# Allegro board T736_DEMO_DBOARD_V0-5-draft.brd (continued)
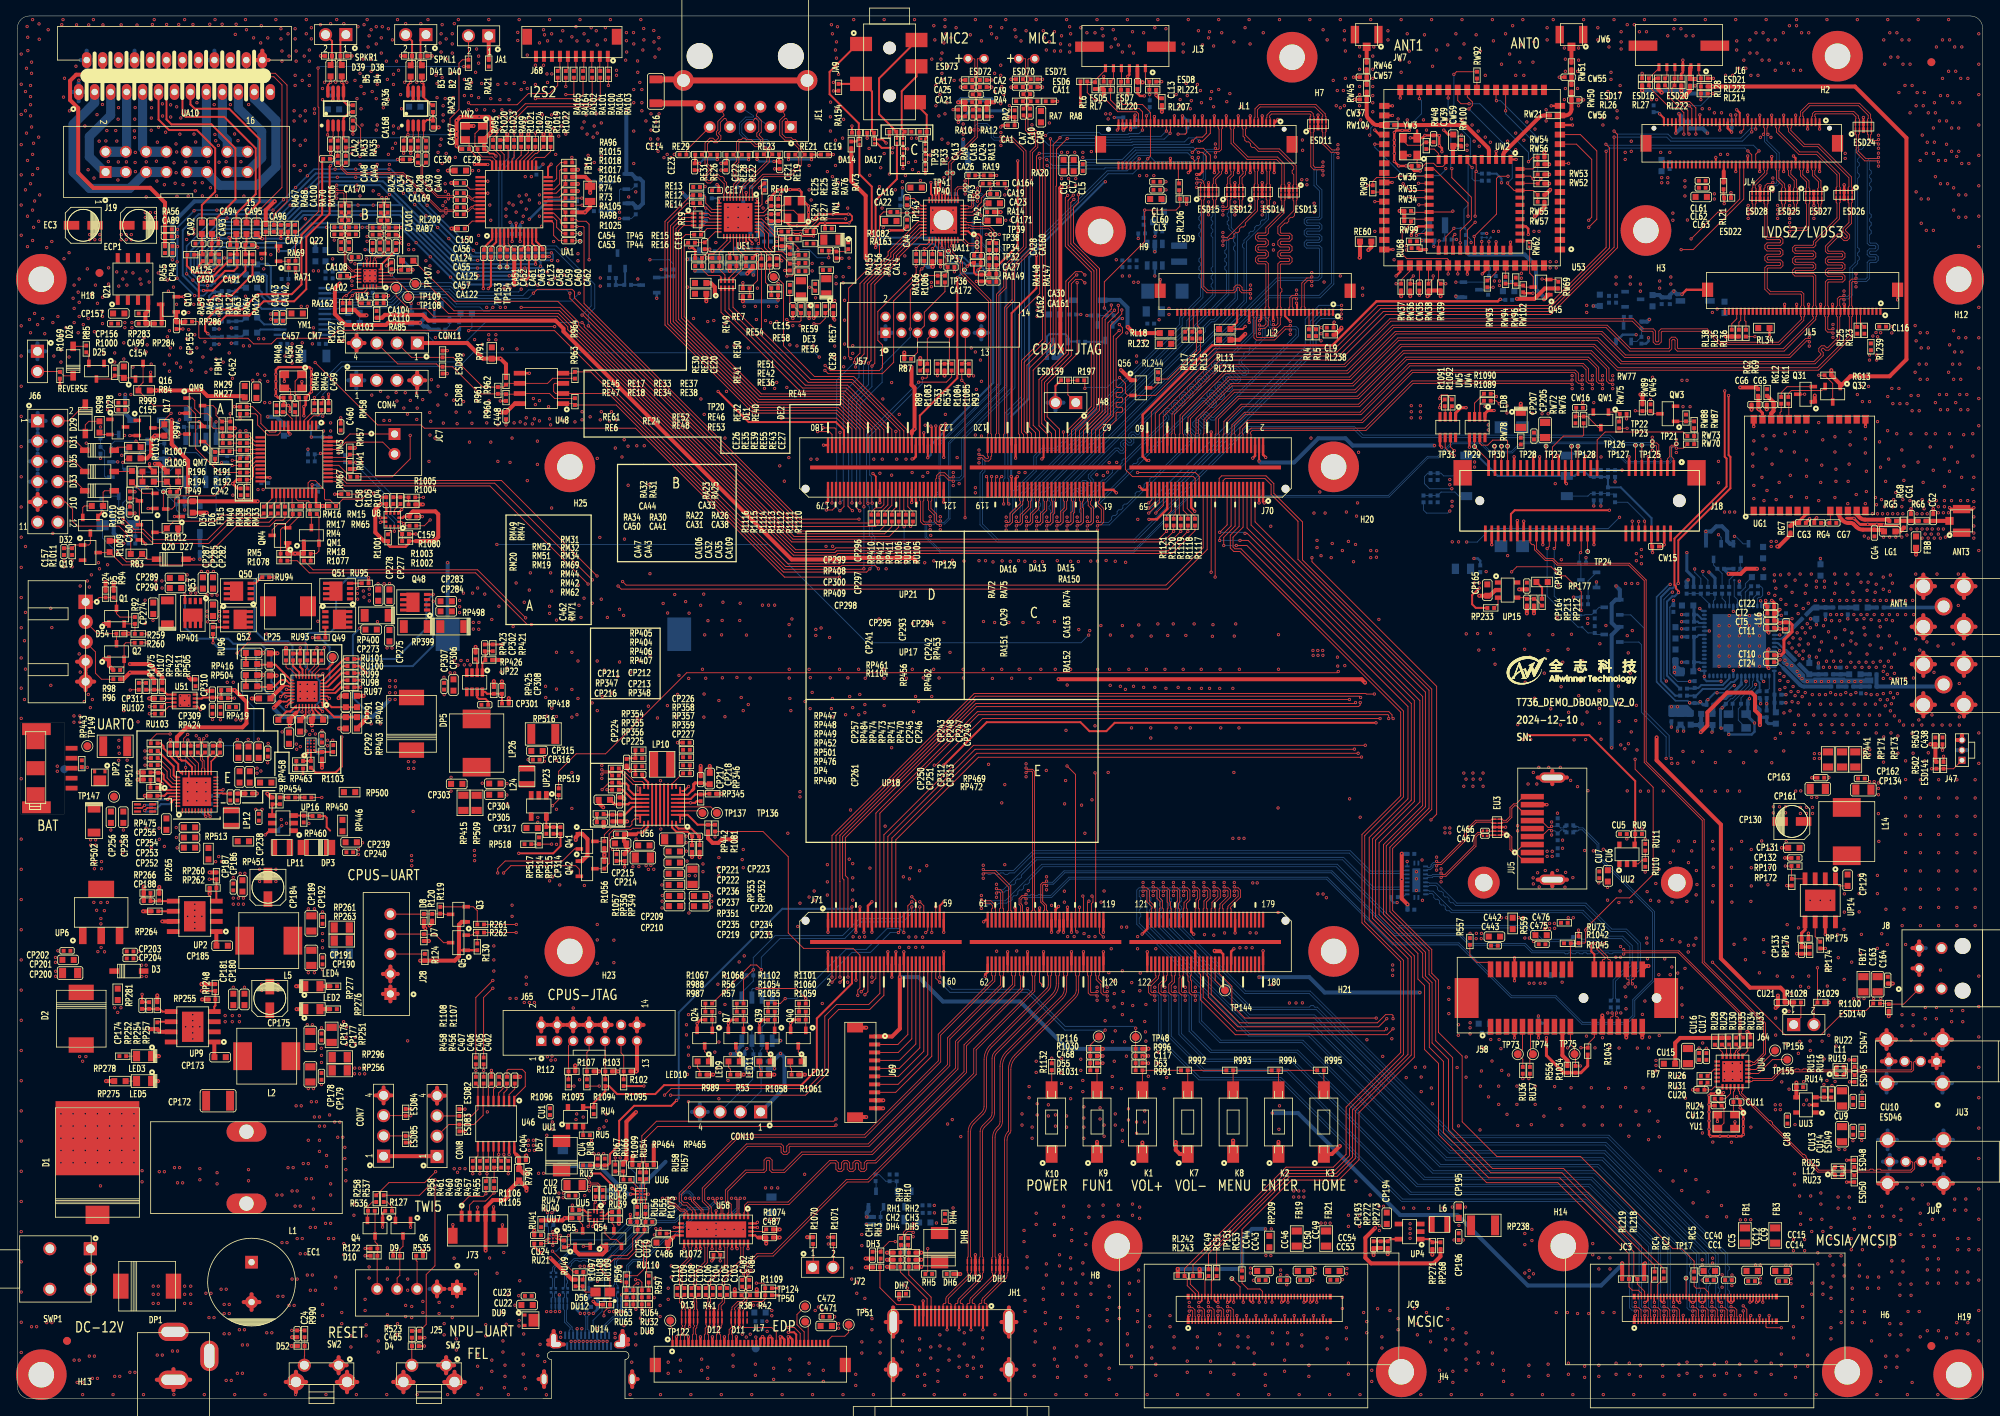
[diagram p0: board, top side]
## Copper pours and planes (outline as drawn; the poured copper is in the pictures) (continued)
DVDDRG on TOP: 84.45,142.24 85.09,142.24 85.22,142.11 85.22,138.18 85.09,138.05 84.45,138.05 84.33,138.18 84.33,142.11
DVDDRG on L4: 84.71,146.81 85.72,146.81 85.98,146.56 85.98,140.97 85.85,140.84 84.71,140.84 84.58,140.97 84.58,146.69
GND on TOP: 176.3,20.64 175.17,20.64 175.02,20.49 175.02,19.71 174.83,19.52 174.04,19.52 173.88,19.68 173.88,22.36 174.18,22.67 174.75,22.67 174.96,22.47 174.96,21.48 175.18,21.25 176.29,21.25 176.4,21.13 176.4,20.74
GND on TOP: 137.67,47.75 136.4,49.02 136.4,49.66 136.91,50.17 136.91,52.07 135.9,53.07 135.9,55.88 107.87,55.88 107.06,56.69 98.76,56.69 97.03,58.42 97.03,68.58 93.85,71.76 89.54,71.76 89.03,72.26 89.03,77.47 88.65,77.85 85.98,77.85 85.85,77.72 85.34,77.72 85.22,77.85 85.22,82.8 84.96,83.06 83.82,83.06 83.69,82.93 83.69,82.04 83.57,81.92 76.33,81.92 73.53,79.12 72.9,79.12 72.64,78.87 72.64,76.45 73.41,75.69 73.41,74.68 73.79,74.3 73.79,74.04 73.53,73.79 72.14,73.79 71.88,73.53 71.88,72.52 70.99,71.63 70.36,71.63 69.6,70.87 69.6,69.47 69.22,69.09 64.85,69.09 64.85,70.03 64.52,70.36 64.52,72.09 64.77,72.34 64.77,73.63 64.07,74.33 60.54,74.33 59.94,74.93 59.94,77.72 60.2,77.98 61.34,77.98 62.08,78.71 62.08,88.49 61.67,88.9 59.44,88.9 59.06,89.28 59.06,91.95 59.18,92.08 59.18,92.84 59.44,93.09 60.71,93.09 61.72,94.11 61.72,95.12 62.74,96.14 64.9,96.14 65.02,96.27 65.02,97.28 58.17,104.14 38.48,104.14 38.1,104.52 38.1,110.49 38.74,111.13 40.01,111.13 41.15,112.27 44.07,112.27 44.45,111.89 44.45,107.82 45.97,106.3 52.2,106.3 53.21,107.32 53.21,113.64 53.59,114.02 58.95,114.02 71.76,101.22 144.48,101.22 145.49,102.24 151,102.24 151.38,102.62 151.38,104.9 152.27,105.79 152.91,105.79 166.62,92.08 166.62,91.19 165.99,90.55 129.92,90.55 128.27,88.9 119.25,88.9 101.73,71.37 101.73,58.8 101.88,58.65 109.14,58.65 109.65,58.14 115.06,58.14 115.62,58.7 115.85,58.7 115.9,58.75 115.9,61.42 116.46,61.98 116.46,62.74 115.95,63.25 110.62,63.25 110.36,63.5 110.36,69.72 120.52,79.88 125.48,79.88 125.6,79.76 125.6,77.85 127,76.45 127,66.68 126.37,66.04 123.57,66.04 122.3,67.31 120.9,67.31 120.4,66.8 120.4,59.18 121.03,58.55 122.53,58.55 122.68,58.7 129.54,58.7 129.54,58.67 130.18,58.04 130.43,58.04 130.94,58.55 135,58.55 135.26,58.29 135.26,58.06 135.61,57.71 135.9,57.71 135.9,61.45 135.38,61.98 135.38,78.74 136.4,79.76 171.7,79.76 172.86,78.6 172.86,75.63 168.15,70.92 168.15,59.54 173.1,54.58 173.1,49.15 172.47,48.51 163.83,48.51 161.67,50.67 157.48,50.67 155.9,52.25 155.9,56.57 155.32,57.15 155.58,57.4 156.34,57.4 156.72,57.79 156.72,61.47 157.23,61.98 164.41,61.98 164.87,62.43 164.87,64.36 164.21,65.02 140.97,65.02 140.72,64.77 140.72,62.87 141.1,62.48 141.1,61.98 141.7,61.37 141.7,58.62 153.11,58.62 153.9,57.84 153.9,57.28 153.52,56.9 149.61,56.9 148.59,55.88 141.7,55.88 141.7,52.68 141.35,52.32 141.35,50.55 142.37,49.53 142.37,48.9 141.22,47.75
GND on TOP: 162.05,137.41 161.93,137.54 161.93,138.56 162.81,139.45 162.81,140.59 162.31,141.1 161.29,141.1 160.27,142.11 160.27,146.05 159.89,146.43 159.89,147.45 160.53,148.08 160.53,150.62 161.93,152.02 161.93,153.42 162.18,153.67 163.83,153.67 163.96,153.8 163.96,154.81 164.21,155.07 165.86,155.07 165.99,155.19 165.99,157.48 165.86,157.61 165.23,157.61 164.47,158.37 164.47,161.42 163.32,162.56 155.45,162.56 154.81,161.93 154.81,160.91 154.56,160.66 144.4,160.66 144.02,161.04 144.02,163.32 143.51,163.83 143.51,164.21 143.26,164.47 142.62,164.47 142.37,164.72 142.37,166.75 141.35,167.77 134.11,167.77 133.6,167.26 133.6,163.58 134.87,162.31 136.27,162.31 138.18,160.4 138.18,156.97 137.29,156.08 134.75,156.08 134.24,155.58 134.24,154.81 133.86,154.43 133.1,154.43 132.72,154.81 130.56,154.81 130.43,154.94 130.43,156.46 130.94,156.97 131.45,156.97 132.21,157.73 132.21,157.99 131.83,158.37 130.43,158.37 130.05,158.75 130.05,160.4 129.41,161.04 129.41,162.94 129.16,163.2 127.76,163.2 127.51,163.45 127.51,166.62 128.4,167.51 128.4,168.66 128.02,169.04 125.6,169.04 124.71,168.15 124.71,166.24 125.35,165.61 125.35,163.58 125.1,163.32 124.21,163.32 123.83,162.94 123.83,160.53 124.33,160.02 124.33,159 123.83,158.5 122.94,158.5 122.81,158.37 122.81,157.61 123.06,157.35 123.95,157.35 124.97,156.34 124.97,151.77 124.71,151.51 123.7,151.51 123.44,151.77 123.44,152.53 123.06,152.91 121.79,152.91 121.67,153.04 121.67,153.67 121.41,153.92 117.86,153.92 117.73,154.05 117.73,155.19 120.65,158.12 120.65,159 121.03,159.39 121.03,160.78 121.29,161.04 122.43,161.04 122.94,161.54 122.94,162.94 122.56,163.32 122.05,163.32 121.16,164.21 121.16,165.74 122.05,166.62 122.05,168.4 121.79,168.66 118.62,168.66 118.24,168.28 118.24,166.5 119,165.74 119,163.83 118.87,163.7 117.98,163.7 117.48,163.2 117.48,162.31 117.73,162.05 117.98,162.05 118.24,161.8 118.24,161.42 118.11,161.29 117.73,161.29 117.48,161.04 117.48,155.96 115.82,154.31 115.82,153.29 115.57,153.04 114.05,153.04 113.79,153.29 112.65,153.29 112.4,153.04 112.4,151.38 112.14,151.13 111,151.13 109.22,149.35 108.97,149.35 108.59,148.97 108.08,148.97 107.95,149.1 107.95,150.11 110.49,152.65 110.49,154.81 110.74,155.07 111.13,155.07 111.38,155.32 111.38,155.96 111.51,156.08 111.76,156.08 111.89,156.21 111.89,156.85 111.63,157.1 111.63,159 111.76,159.13 113.28,159.13 113.41,159 113.41,154.56 113.67,154.31 114.3,154.31 114.43,154.43 114.43,155.32 114.68,155.58 114.68,156.08 114.3,156.46 114.3,158.12 114.68,158.5 114.68,162.94 114.3,163.32 114.3,172.59 114.05,172.85 114.17,172.97 166.24,172.97 167.01,172.21 172.21,172.21 172.34,172.09 172.34,163.07 174.5,160.91 188.72,160.91 191.26,163.45 191.26,172.21 191.39,172.34 198.12,172.34 198.37,172.09 198.37,162.31 195.33,159.26 191.14,159.26 188.34,156.46 188.34,155.07 187.83,154.56 184.15,154.56 183.77,154.94 183.77,156.08 180.98,158.88 180.59,158.88 180.34,158.62 180.34,158.12 180.21,157.99 179.07,157.99 178.18,158.88 172.34,158.88 172.21,159 170.43,159 169.55,158.12 169.55,153.8 168.66,152.91 168.66,150.75 169.42,149.99 169.42,147.45 168.15,146.18 167.77,146.18 167.26,145.67 167.26,142.88 167.64,142.49 169.29,142.49 169.67,142.88 169.67,143.51 170.69,144.53 172.72,144.53 173.23,144.02 173.23,143.26 173.74,142.75 173.74,141.22 173.61,141.22 172.09,139.7 172.09,138.81 171.32,138.05 169.67,138.05 169.04,137.41
GND on TOP: 221.39,14.14 222.33,14.14 222.45,14.26 222.45,16.81 222.33,16.94 221.39,16.94 221.26,16.81 221.26,14.26
GND on TOP: 54.05,98.07 56.26,98.07 56.39,98.2 56.39,100.25 56.26,100.38 54.05,100.38 53.92,100.25 53.92,98.2
GND on TOP: 217.53,14.21 218.47,14.21 218.59,14.34 218.59,16.89 218.47,17.02 217.53,17.02 217.4,16.89 217.4,14.34
GND on TOP: 195.58,103.63 202.31,103.63 203.58,102.36 203.58,79.25 210.57,72.26 210.57,56.57 209.55,55.55 209.22,55.55 208.15,56.62 201.07,56.62 200.86,56.41 200.86,55.58 201.04,55.4 208.15,55.4 209.52,54.03 209.52,47.57 207.92,45.97 205.1,45.97 204.6,46.48 204.6,51.82 203.96,52.45 203.45,52.45 203.2,52.7 203.2,54.86 202.82,55.24 201.42,55.24 201.04,54.86 201.04,52.83 200.91,52.7 200.28,52.7 200.03,52.96 200.03,56.26 198.68,57.61 198.68,60.3 197.59,61.39 191.01,61.39 189.56,62.84 189.56,65.99 190.04,66.47 192.02,66.47 192.61,67.06 192.61,75.49 191.87,76.23 188.14,76.23 187.68,76.68 187.68,94.67 189.48,96.47 194.46,96.47 195.05,95.89 197.23,95.89 197.61,96.27 197.61,98.17 196.22,99.57 196.22,101.22 195.45,101.98 195.45,103.5
GND on TOP: 75.44,68.07 75.44,70.92 75.31,71.04 74.43,71.04 74.31,70.92 74.31,68.11 74.46,67.96 75.32,67.96
GND on TOP: 204.34,124.33 207.14,124.33 208.41,123.06 209.68,123.06 209.93,123.32 209.93,125.48 209.8,125.6 204.34,125.6 204.22,125.48 204.22,124.46
GND on TOP: 130.56,79.63 128.52,79.63 127.89,78.99 127.89,65.63 128.32,65.2 131.39,65.2 132.21,66.01 132.21,77.98
GND on TOP: 111.76,159.13 113.28,159.13 113.41,159 113.41,157.73 113.28,157.61 111.76,157.61 111.63,157.73 111.63,159
GND on TOP: 23.93,84.71 25.79,84.71 25.92,84.84 25.92,86.04 25.79,86.17 23.93,86.17 23.8,86.04 23.8,84.84
GND on TOP: 83.41,18.57 83.62,18.57 83.74,18.69 83.74,19.99 83.85,20.09 84.79,20.09 84.81,20.07 84.81,18.69 84.94,18.57 85.14,18.57 85.24,18.67 85.24,20.04 85.29,20.09 86.79,20.09 86.82,20.07 86.82,18.72 86.97,18.57 87.15,18.57 87.25,18.67 87.25,20.07 87.27,20.09 89.79,20.09 89.84,20.04 89.84,18.75 90.02,18.57 90.37,18.57 90.4,18.59 90.4,18.9 90.25,19.05 90.25,20.07 90.27,20.09 91.24,20.09 91.31,20.02 91.31,18.67 91.41,18.57 91.62,18.57 91.74,18.69 91.74,19.96 91.39,20.32 91.39,21.72 91.47,21.79 92.79,21.79 92.94,21.95 92.94,22.17 92.81,22.3 82.93,22.3 82.75,22.12 82.75,21.77 82.78,21.74 83.64,21.74 83.67,21.72 83.67,20.37 83.29,19.99 83.29,18.69
GND on TOP: 38.61,147.19 39.88,147.19 40.01,147.07 40.01,144.88 39.95,144.83 38.53,144.83 38.48,144.88 38.48,147.07
GND on TOP: 202.06,155.83 204.98,155.83 205.1,155.96 205.1,158.62 204.98,158.75 202.06,158.75 201.93,158.62 201.93,155.96
GND on TOP: 80.38,77.57 80.48,77.67 80.65,77.67 80.75,77.57 80.75,77.35 80.64,77.24 80.64,71.72 80.83,71.53 80.83,71.3 80.68,71.16 80.45,71.16 80.38,71.23
GND on TOP: 60.17,75.01 61.87,75.01 62,75.13 62,77.65 61.87,77.77 60.17,77.77 60.05,77.65 60.05,75.13
GND on TOP: 204.85,47.62 204.85,53.44 205.05,53.64 208.03,53.64 208.25,53.42 208.25,47.73 207.9,47.37 205.1,47.37
GND on TOP: 141.86,170.43 146.43,170.43 146.56,170.31 146.56,168.02 146.43,167.89 141.73,167.89 141.48,168.15 141.48,170.05
GND on TOP: 209.3,117.86 213.74,117.86 213.87,117.73 213.87,114.43 213.74,114.3 209.3,114.3 209.04,114.55 209.04,117.6
GND on TOP: 161.37,14 162.71,14 162.84,14.12 162.84,16.87 162.71,16.99 161.37,16.99 161.24,16.87 161.24,14.12
GND on TOP: 12.46,79.4 14.02,79.4 14.27,79.65 14.27,83.02 14.2,83.1 12.41,83.1 12.2,82.89 12.2,79.65
GND on TOP: 200.41,168.66 205.61,168.66 205.74,168.78 205.74,170.69 205.61,170.81 200.41,170.81 200.28,170.69 200.28,168.78
GND on TOP: 208.56,43.05 211.73,43.05 211.86,43.18 211.86,44.73 211.73,44.86 208.56,44.86 208.43,44.73 208.43,43.18
GND on TOP: 198.88,172.97 198.88,172.72 199.01,172.59 199.01,172.34 198.63,171.96 198.63,161.67 197.23,160.27 197.23,158.62 197.61,158.24 198.37,158.24 199.39,159.26 200.41,159.26 200.91,158.75 200.91,144.27 194.69,138.05 194.69,136.53 195.45,135.76 209.68,135.76 211.2,137.29 215.14,137.29 216.41,138.56 216.41,146.94 215.9,147.45 214.63,147.45 210.57,143.38 208.28,143.38 207.9,143.76 207.9,149.1 205.23,151.76 205.23,155.45 205.61,155.83 207.26,155.83 207.39,155.96 207.39,157.61 205.49,159.51 205.49,160.66 202.69,163.45 202.69,167.26 203.84,168.4 210.82,168.4 211.46,167.77 211.46,165.23 211.58,165.1 231.14,165.1 237.36,158.88 237.36,130.43 234.44,127.51 230.12,127.51 229.24,126.62 229.24,124.59 229.74,124.08 232.92,124.08 235.08,121.92 245.49,121.92 245.62,121.79 245.75,121.79 245.87,121.92 245.87,172.09 244.98,172.97
GND on TOP: 11.18,122.43 12.06,122.43 12.32,122.68 12.32,123.06 12.95,123.7 12.95,125.22 12.83,125.35 11.18,125.35 11.05,125.22 11.05,122.56
GND on TOP: 183.26,47.88 183.26,52.83 183.13,52.96 178.82,52.96 178.56,52.7 178.56,47.88 178.94,47.5 182.88,47.5
GND on TOP: 20.95,101.16 20.15,101.16 20.04,101.27 20.04,103.95 20.13,104.04 24.94,104.04 25.08,103.9 25.08,102.48 24.97,102.36 21.54,102.36 21.11,101.93 21.11,101.31
GND on TOP: 66.88,33.22 67.34,33.68 67.34,35.73 67.21,35.85 65.47,35.85 65.34,35.73 65.34,30.85 64.72,30.23 64.72,28.02 64.87,27.86 66.17,27.86 66.4,28.09 66.4,29.29 66.88,29.77
GND on TOP: 77.09,0.25 76.38,0.25 76.38,4.69 76.86,5.53 76.12,6.15 73.96,6.15 73.96,7.16 74.14,7.34 74.14,7.39 73.86,7.67 73.86,11.1 75.13,12.37 75.13,16.81 75.44,17.12 81.79,17.12 82.04,16.87 82.04,11.3 80.65,9.91 80.65,6.99 81.66,5.97 102.62,5.97 105.16,8.51 105.16,10.54 104.39,11.3 101.73,11.3 100.71,12.32 96.52,12.32 96.01,12.83 96.01,18.42 104.27,26.67 106.96,26.67 115.77,35.48 117.02,35.48 118.49,34.01 118.49,24.89 118.11,24.51 115.82,24.51 115.44,24.13 115.44,23.11 115.19,22.86 112.27,22.86 109.73,20.32 109.09,20.32 107.95,19.18 106.93,19.18 106.68,18.92 106.68,15.88 107.57,14.99 107.57,13.84 109.98,11.43 111.89,11.43 112.01,11.3 112.01,9.14 112.4,8.76 121.67,8.76 122.17,9.27 122.17,12.7 124.71,15.24 124.71,32.39 125.35,33.02 125.35,41.15 126.62,42.42 126.62,43.43 133.22,50.04 147.73,50.04 152.37,45.39 172.47,45.39 172.47,43.43 166.01,36.98 166.01,30.94 164.49,29.41 158.45,29.41 145.92,16.89 144.65,16.89 144.4,16.64 144.4,9.53 145.16,8.76 164.59,8.76 165,9.17 165,19.84 165.61,20.45 165.61,22.48 165.35,22.73 162.56,22.73 161.93,23.37 161.93,26.16 162.53,26.77 165.84,26.77 168.71,29.64 168.71,35.61 174.94,41.85 176.8,41.85 177.7,40.94 177.7,32.56 183.72,26.54 192.66,26.54 200.41,18.8 200.41,14.73 201.68,13.46 201.68,9.4 202.82,8.26 220.98,8.26 221.62,8.89 221.62,9.4 221.26,9.75 221.26,20.35 221.62,20.7 221.62,25.91 220.22,27.31 216.28,27.31 209.59,34 209.59,36.69 207.39,38.89 207.39,40.77 207.52,40.89 209.42,40.89 209.93,40.39 209.93,39.37 210.19,39.12 210.57,39.12 210.82,38.86 210.82,37.97 211.46,37.34 211.46,32.89 211.96,32.39 216.28,32.39 216.66,32.77 216.66,35.94 216.92,36.2 217.17,36.2 225.93,27.43 233.05,27.43 233.55,27.94 242.32,27.94 243.71,29.34 243.71,43.31 242.82,44.2 239.4,44.2 238.38,43.18 236.09,43.18 235.46,42.55 235.46,42.04 235.08,41.66 232.41,41.66 231.9,42.16 223.01,42.16 222.63,42.55 222.63,44.96 222.89,45.21 226.19,45.21 229.24,48.26 231.9,48.26 232.54,48.9 237.62,48.9 239.27,50.55 239.27,54.61 238.63,55.25 238.63,73.84 238.09,74.38 238.09,78.07 238.51,78.49 243.46,78.49 244.22,79.25 244.22,83.31 244.6,83.69 245.95,83.69 245.95,1.53 245.95,1.52 244.68,0.25 ; 4 cut-outs
GND on TOP: 36.73,72.49 34.16,72.49 33.72,72.94 33.06,72.94 32.8,72.68 32.8,71.7 33.03,71.48 33.58,71.48 33.82,71.72 36.7,71.72 36.87,71.88 36.87,72.35
GND on TOP: 195.43,39.52 197.36,41.45 197.36,44.02 197.54,44.2 203.45,44.2 204.09,43.56 204.09,37.36 206.4,35.05 206.4,32.36 214.63,24.13 214.63,18.92 214.12,18.41 210.06,18.41 209.04,19.43 207.77,19.43 196.39,30.81 185.42,30.81 181.61,34.62 181.61,38.2 182.93,39.52
GND on TOP: 181.55,24.52 181.67,24.4 181.67,23.76 181.55,23.63 179.64,23.63 179.51,23.76 179.51,24.4 179.64,24.52
GND on TOP: 110.59,152.76 112.19,152.76 112.27,152.68 112.27,151.41 112.22,151.36 110.62,151.36 110.54,151.43 110.54,152.7
GND on TOP: 0.51,85.47 0.38,85.6 0.38,172.21 1.02,172.85 37.47,172.85 37.59,172.97 83.06,172.97 83.19,172.85 83.19,172.72 82.93,172.47 82.93,167.64 82.42,167.13 79.38,167.13 78.61,166.37 78.61,163.32 78.87,163.07 85.85,163.07 86.49,162.43 86.49,161.16 83.31,157.99 83.31,155.58 84.58,154.31 85.6,154.31 85.73,154.18 85.73,153.42 85.09,152.78 82.3,152.78 80.9,151.38 80.9,134.37 86.87,128.4 86.87,126.11 90.93,122.05 97.16,122.05 97.66,121.54 97.66,116.84 98.68,115.82 101.6,115.82 101.73,115.7 101.73,112.01 101.47,111.76 97.16,111.76 71.37,137.54 71.37,141.99 72.01,142.62 72.01,147.32 71.5,147.83 71.5,148.34 72.01,148.84 73.03,148.84 73.28,148.59 73.28,143 72.52,142.24 72.52,139.07 72.77,138.81 73.79,138.81 74.17,139.19 74.17,140.34 75.57,141.73 75.57,162.18 76.96,163.58 76.96,166.88 76.71,167.13 75.06,167.13 74.8,167.39 74.8,169.04 74.55,169.29 66.68,169.29 66.42,169.04 66.42,167.13 66.17,166.88 59.94,166.88 59.56,167.26 59.56,169.42 60.07,169.93 60.07,171.7 59.95,171.82 56,171.82 55.5,171.32 55.5,168.28 55.12,167.89 55.12,161.67 53.85,160.4 53.85,157.23 55.25,155.83 55.25,152.78 55.37,152.65 55.37,152.15 55.25,152.02 52.32,152.02 51.69,152.65 51.69,159.64 51.82,159.77 52.32,159.77 52.58,160.02 52.58,162.56 51.69,163.45 51.69,167.39 51.05,168.02 51.05,169.55 51.44,169.93 52.07,169.93 52.2,170.05 52.2,171.7 51.94,171.96 47.88,171.96 47.63,171.7 47.63,170.43 48.9,169.16 48.9,167.89 48.13,167.13 48.13,164.59 48.39,164.34 48.39,162.94 49.02,162.31 50.67,162.31 51.18,161.8 51.18,160.78 51.05,160.66 48.9,160.66 48.01,159.77 48.01,157.35 48.13,157.23 49.4,157.23 49.53,157.1 49.53,155.96 49.4,155.83 47.5,155.83 47.24,155.58 47.24,155.19 47.5,154.94 47.88,154.94 48.13,154.69 48.13,154.18 47.88,153.92 41.78,153.92 41.66,154.05 41.66,156.46 41.78,156.59 42.55,156.59 43.31,157.35 43.31,159.13 42.67,159.77 42.67,162.43 41.78,163.32 41.78,167.26 41.02,168.02 41.02,169.42 41.4,169.8 42.16,169.8 42.55,170.18 42.55,171.58 42.16,171.96 38.1,171.96 37.21,171.07 37.21,162.56 36.58,161.93 36.58,149.86 35.31,148.59 35.31,147.83 35.18,147.7 32.51,147.7 32.39,147.83 32.39,148.21 34.16,149.99 34.16,165.61 33.27,166.5 30.48,166.5 29.85,167.13 29.85,168.78 28.07,170.56 3.81,170.56 2.03,168.78 2.03,159.89 3.18,158.75 3.18,147.57 5.03,145.72 7.95,145.72 8.74,146.51 8.74,148.03 8.97,148.26 10.9,148.26 11.4,147.75 11.4,142.72 12.01,142.11 19.56,142.11 19.94,142.49 19.94,143.89 19.81,144.02 19.81,144.53 21.59,144.53 21.72,144.4 21.21,143.89 20.96,143.89 20.83,143.76 20.83,141.99 22.48,140.34 22.48,136.91 22.73,136.65 23.75,136.65 25.02,137.92 27.05,137.92 29.97,140.84 29.97,142.75 30.23,143 31.37,143 31.5,143.13 31.5,143.89 31.37,144.02 31.37,145.42 31.5,145.54 32.51,145.54 32.64,145.67 32.64,146.43 32.77,146.56 34.29,146.56 34.42,146.43 34.42,143.64 34.29,143.51 32.64,143.51 31.88,142.75 31.88,141.35 32.26,140.97 34.42,140.97 34.54,141.1 34.54,141.99 34.67,142.11 35.05,142.11 35.18,141.99 35.18,140.08 33.91,138.81 29.72,138.81 27.81,136.91 24.64,136.91 23.37,135.64 20.83,135.64 20.7,135.76 20.7,136.65 20.57,136.78 19.69,136.78 17.53,138.94 12.07,138.94 11.3,138.18 11.3,137.03 11.56,136.78 12.32,136.78 12.57,136.53 12.57,135.76 12.07,135.26 12.07,133.99 12.57,133.48 18.03,133.48 19.05,134.49 22.1,134.49 22.48,134.11 22.48,132.84 22.61,132.72 28.83,132.72 29.46,132.08 32.13,132.08 32.64,132.59 39.32,132.59 40.72,133.99 43.05,133.99 43.87,133.17 43.87,131.83 46.46,129.24 51.36,129.24 55.25,125.35 61.34,125.35 61.47,125.22 61.47,124.59 61.21,124.33 60.45,124.33 59.94,123.83 59.94,123.19 60.07,123.06 62.99,123.06 64.01,124.08 64.01,125.35 64.26,125.6 66.29,125.6 67.69,124.21 74.8,124.21 75.82,123.19 75.82,121.92 75.69,121.79 51.18,121.79 50.74,122.24 45.53,122.24 37.59,130.18 36.96,130.18 36.45,129.67 32.39,129.67 31.75,129.03 31.75,126.49 31.62,126.37 29.34,126.37 29.21,126.49 29.21,128.27 28.96,128.52 26.16,128.52 25.78,128.14 25.78,126.37 25.65,126.24 24,126.24 22.99,127.25 16.51,127.25 16.26,127.51 16.26,130.3 16,130.56 15.49,130.56 15.24,130.3 15.24,129.03 15.11,128.91 10.03,128.91 9.65,129.29 9.65,132.59 9.4,132.84 6.6,132.84 6.48,132.72 6.48,131.32 6.73,131.06 7.49,131.06 8.26,130.3 8.26,129.41 9.53,128.14 9.53,127.38 9.91,127 11.18,127 11.68,127.51 12.7,127.51 12.95,127.25 13.97,127.25 14.22,127 14.22,126.37 14.1,126.24 12.57,126.24 12.45,126.11 12.45,125.73 12.95,125.22 12.95,123.7 12.7,123.44 12.7,121.54 12.83,121.41 14.86,121.41 15.88,122.43 15.88,123.83 16.26,124.21 18.54,124.21 18.8,123.95 18.8,123.44 18.16,122.81 17.15,122.81 16.26,121.92 16.26,120.4 16.13,120.27 14.61,120.27 14.22,119.89 13.59,119.89 13.34,119.63 11.81,119.63 11.43,119.25 11.43,118.62 11.68,118.36 12.7,118.36 12.83,118.49 13.21,118.49 13.34,118.36 13.34,117.98 12.83,117.48 12.83,117.09 12.57,116.84 9.27,116.84 9.14,116.97 9.14,119.63 9.78,120.27 11.94,120.27 12.19,120.52 12.19,121.16 12.07,121.29 11.18,121.29 10.8,121.67 10.8,122.94 10.41,123.32 9.4,123.32 9.14,123.57 9.14,125.22 8.89,125.48 7.87,125.48 7.62,125.22 7.62,124.71 6.6,123.7 4.57,123.7 4.06,123.19 4.06,109.22 4.32,108.97 8.51,108.97 8.64,108.84 8.64,107.82 8.26,107.44 5.33,107.44 5.21,107.32 5.21,106.3 5.46,106.05 7.11,106.05 7.62,106.55 8.89,106.55 9.53,105.92 9.53,105.66 9.78,105.41 10.67,105.41 10.92,105.16 12.07,105.16 13.21,104.01 16,104.01 16.26,103.76 16.26,96.65 16.13,96.52 15.37,96.52 15.24,96.65 15.24,98.43 15.11,98.55 13.08,98.55 12.83,98.81 12.83,100.71 12.57,100.97 7.49,100.97 7.37,100.84 7.37,93.85 7.75,93.47 9.14,93.47 9.65,92.96 9.65,90.55 10.54,89.66 13.08,89.66 13.72,89.03 13.72,88.52 13.97,88.27 17.4,88.27 17.53,88.14 17.53,87.5 17.4,87.38 16.38,87.38 16.13,87.12 16.13,86.11 16,85.98 6.99,85.98 6.6,85.6 0.76,85.6 0.64,85.47
GND on TOP: 80.87,154.41 83.57,154.41 83.62,154.46 83.62,155.19 83.26,155.55 83.26,156.41 83.21,156.46 80.87,156.46 80.8,156.39 80.8,154.48
GND on TOP: 189.74,120.78 190.25,120.78 190.37,120.9 190.37,121.67 190.5,121.79 192.02,121.79 192.15,121.92 192.15,123.7 191.9,123.95 189.61,123.95 189.48,123.83 189.48,121.03
GND on TOP: 69.62,27.1 69.62,25.1 71.25,25.1 71.86,25.7 71.86,27.79 71.7,27.94 70.46,27.94
GND on TOP: 172.54,23.27 172.54,24.18 172.2,24.52 170.62,24.52 170.38,24.28 170.38,23.38 170.89,22.87 172.15,22.87
GND on TOP: 26.82,81.04 31.76,81.04 33.66,82.93 35.61,82.93 36.17,82.37 37.21,82.37 37.58,82.74 38.44,82.74 38.73,83.03 38.73,83.81 38.4,84.14 31.7,84.14 30.84,83.27 26.82,83.27 26.57,83.02 26.57,81.29
GND on TOP: 113.54,105.54 142.37,105.54 142.49,105.41 142.49,104.52 140.34,102.36 107.44,102.36 107.19,102.62 107.19,103.25 107.57,103.63 108.2,103.63 108.46,103.89 108.46,104.14 108.71,104.39 112.9,104.39 113.28,104.78 113.28,105.28
GND on TOP: 227.58,30.76 231.29,30.76 231.42,30.89 231.42,33.25 231.29,33.38 227.58,33.38 227.46,33.25 227.46,30.89
GND on TOP: 39.62,154.31 40.13,154.31 41.15,153.29 48.26,153.29 53.21,148.34 54.23,148.34 54.61,147.96 55.24,147.96 55.5,147.7 55.5,146.3 55.75,146.05 56.52,146.05 57.53,147.07 58.8,147.07 59.18,146.69 59.18,145.67 58.04,144.53 58.04,138.81 58.17,138.68 59.69,138.68 59.94,138.94 59.94,141.22 60.2,141.48 61.72,141.48 61.98,141.73 61.98,143.38 62.1,143.51 62.36,143.51 62.74,143.13 62.74,140.21 62.99,139.95 63.88,139.95 64.39,140.46 64.39,141.48 64.77,141.86 65.15,141.86 65.66,142.37 66.55,142.37 66.8,142.62 66.8,144.02 66.17,144.65 65.79,144.65 65.41,145.03 65.41,147.07 65.66,147.32 66.67,147.32 66.93,147.07 66.93,145.67 67.94,144.65 70.1,144.65 70.48,144.27 70.48,140.08 69.72,139.32 64.77,139.32 64.26,138.81 64.26,138.05 64.01,137.79 55.24,137.79 50.42,142.62 50.42,143.13 50.04,143.51 49.15,143.51 48.13,144.53 47.24,144.53 47.12,144.65 47.12,150.37 46.74,150.75 45.59,150.75 44.96,150.11 44.96,147.19 44.83,147.07 44.83,144.65 44.7,144.53 42.42,144.53 42.04,144.91 42.04,151.64 41.78,151.89 39.88,151.89 39.37,152.4 39.37,154.05
GND on TOP: 223.95,78.16 225.7,78.16 225.76,78.11 225.76,75.31 225.58,75.13 222.2,75.13 222.17,75.16 222.17,76.38
GND on TOP: 43.08,140.44 43.1,140.41 43.1,139.47 42.95,139.32 41.78,139.32 41.66,139.45 41.66,140.34 41.76,140.44
GND on TOP: 241.07,62.23 242.06,62.23 242.57,61.72 242.57,55.88 241.81,55.12 231.01,55.12 229.36,53.47 229.36,49.53 228.85,49.02 226.44,49.02 226.06,49.4 226.06,54.25 225.78,54.53 225.15,54.53 224.79,54.18 224.79,50.55 224.54,50.29 222.35,50.29 222.02,50.62 222.02,51.33 221.13,52.22 217.91,52.22 214.48,55.65 214.48,71.78 206.02,80.24 206.02,81.69 206.63,82.3 219.46,82.3 220.85,83.69 237.74,83.69 238.38,83.06 238.38,78.99 239.52,77.85 239.52,63.78 ; 1 cut-out
GND on TOP: 38.96,143.13 39.98,143.13 40.11,143 40.11,142.16 40.54,141.73 41.1,141.73 41.27,141.55 41.27,141.33 41.05,141.1 40.79,141.1 40.74,141.05 40.74,140.51 40.64,140.41 39.09,140.41 38.91,140.59 38.91,143.08
GND on TOP: 36.07,38.23 38.73,38.23 38.99,38.48 38.99,40.01 38.73,40.26 36.07,40.26 35.81,40.01 35.81,38.48
GND on TOP: 184.78,57.28 184.91,57.15 184.91,56.52 184.78,56.39 183.51,56.39 182.5,57.4 181.23,57.4 181.1,57.53 181.1,66.19 181.99,67.08 185.17,67.08 185.78,66.47 185.78,62.15 184.78,61.16
GND on TOP: 195.83,123.95 196.85,123.95 197.1,123.7 197.1,123.19 197.23,123.06 197.87,123.06 198.12,123.32 198.12,124.97 197.99,125.09 195.83,125.09 195.71,124.97 195.71,124.08
GND on TOP: 165.13,14.48 166.93,14.48 167.06,14.61 167.06,17.31 166.93,17.44 165.13,17.44 165,17.31 165,14.61
GND on TOP: 154.31,14.11 155.66,14.11 155.79,14.24 155.79,16.83 155.66,16.95 154.31,16.95 154.18,16.83 154.18,14.24
GND on TOP: 159.03,158.34 161.34,158.34 161.42,158.27 161.42,156.13 161.32,156.03 159.03,156.03 158.9,156.16 158.9,158.22
GND on TOP: 181.38,18.94 181.38,20.04 181.25,20.17 179.86,20.17 179.73,20.04 179.73,18.94 179.86,18.81 181.25,18.81
GND on TOP: 69.62,33.73 69.62,35.59 69.99,35.95 73.88,35.95 74.09,35.74 74.09,33.4 73.27,32.58 71.64,32.58 71.41,32.8 71.41,34.65 71.31,34.75 70.43,34.75 70.31,34.62 70.31,33.76 70.19,33.64 69.71,33.64
GND on TOP: 31.62,135.51 33.53,135.51 33.66,135.38 33.66,134.62 33.53,134.49 31.62,134.49 31.5,134.62 31.5,135.38
GND on TOP: 32.89,64.29 33.96,63.22 33.96,60.66 34.57,60.05 39.67,60.05 39.93,60.3 39.93,66.29 39.12,67.11 26.31,67.11 26.04,66.83 26.04,64.49 26.24,64.29
GND on TOP: 53.31,75.08 54.79,75.08 54.91,75.21 54.91,78.05 54.79,78.18 53.31,78.18 53.19,78.05 53.19,75.21
GND on TOP: 131.57,170.43 136.14,170.43 136.4,170.18 136.4,168.02 136.14,167.77 131.57,167.77 131.44,167.89 131.44,170.31
GND on TOP: 189.79,144.42 193.93,144.42 194.06,144.3 194.06,141.58 193.83,141.35 189.71,141.35 189.64,141.43 189.64,144.27
GND on TOP: 158.85,14.06 159.23,14.06 159.33,14.15 159.33,15.64 159.25,15.72 158.8,15.72 158.72,15.65 158.72,14.19
GND on TOP: 232.41,51.44 233.68,51.44 233.81,51.31 233.81,50.04 233.68,49.91 232.41,49.91 232.28,50.04 232.28,51.31
GND on TOP: 41.88,67.82 42.93,67.82 43.64,68.53 43.64,70.14 43.45,70.33 41.88,70.33 41.76,70.21 41.76,67.94
GND on TOP: 123.52,152.63 124.31,152.63 124.38,152.55 124.38,151.56 124.31,151.49 123.72,151.49 123.42,151.79 123.42,152.53
GND on TOP: 96.27,134.87 96.52,134.87 96.65,134.75 98.3,134.75 98.81,135.25 98.81,136.27 98.93,136.4 100.46,136.4 100.58,136.27 100.58,135.51 100.08,135 99.69,135 99.44,134.75 99.44,134.49 99.82,134.11 101.09,134.11 101.73,134.75 101.73,136.14 101.98,136.4 102.49,136.4 102.62,136.27 102.62,130.3 102.23,129.92 100.58,129.92 100.2,129.54 98.68,129.54 96.14,132.08 96.14,134.75
GND on TOP: 101.98,172.85 101.6,172.85 101.35,172.59 101.35,156.21 101.22,156.08 101.22,155.19 100.97,154.94 98.55,154.94 98.42,154.81 98.42,154.05 97.28,152.91 93.73,152.91 93.34,152.53 93.34,152.15 93.47,152.02 98.3,152.02 99.95,150.37 99.95,148.34 100.08,148.21 104.9,148.21 105.54,148.84 105.54,150.24 104.01,151.76 104.01,157.99 104.27,158.24 104.65,158.24 104.9,158.5 104.9,160.02 103.5,161.42 103.5,162.05 101.93,163.63 101.93,164.16 102.16,164.39 103.38,164.39 103.5,164.52 103.5,171.96 104.27,172.72 104.27,172.85 104.14,172.97 102.11,172.97
GND on TOP: 119.3,117.53 120.95,117.53 121.11,117.37 121.95,117.37 122.68,118.11 127.53,118.11 128.19,117.45 128.73,117.45 129.29,118.01 138.35,118.01 138.51,117.86 138.51,116 137.92,115.42 130.94,115.42 130.76,115.24 130.76,112.7 130.66,112.6 130.48,112.6 130.38,112.7 130.38,115.34 129.67,116.05 127.79,116.05 127.1,115.37 124.97,115.37 124.87,115.47 124.87,115.52 124.33,116.05 119.33,116.05 119.18,116.2 119.18,117.4
GND on TOP: 172.34,172.85 172.34,172.72 172.47,172.59 172.47,165.74 172.97,165.23 178.44,165.23 180.21,167 183.26,167 183.51,166.75 183.51,165.48 183.9,165.1 190.63,165.1 190.75,165.23 190.75,172.59 190.88,172.72 190.75,172.85
GND on TOP: 188.35,71.09 188.2,70.94 187.82,70.94 187.71,71.04 187.71,71.91 187.82,72.01 188.09,72.01 188.3,71.81 191.24,71.81 191.24,71.09
GND on TOP: 35.74,52.81 38.58,52.81 38.73,52.96 38.73,54.64 38.61,54.76 35.74,54.76 35.48,54.51 35.48,53.06
GND on TOP: 5.46,106.05 8.64,106.05 8.76,105.92 8.76,104.14 8.64,104.01 5.46,104.01 5.33,104.14 5.33,105.92
GND on TOP: 59.05,151.51 63.63,151.51 64.77,152.65 65.66,152.65 65.79,152.53 65.79,148.08 64.77,147.07 59.18,147.07 58.8,147.45 58.8,151.26
GND on TOP: 27.48,79.24 30.75,79.24 30.99,78.99 30.99,78.35 30.83,78.19 27.34,78.19 27.27,78.25 27.27,79.03
GND on TOP: 93.6,137.41 95.63,137.41 95.76,137.29 95.76,132.72 95.5,132.46 95.12,132.46 93.47,134.11 93.47,137.29
GND on TOP: 55.75,161.93 62.23,161.93 62.36,161.8 62.36,161.29 61.09,160.02 59.31,160.02 59.05,160.27 55.5,160.27 55.24,160.53 55.24,161.16 55.63,161.54 55.63,161.8
GND on TOP: 41.26,99.59 41.26,101.74 41.33,101.8 44.3,101.8 44.95,102.45 46.95,102.45 47.23,102.17 47.23,101.08 47.09,100.94 44.81,100.94 44.34,100.47 44.34,99.64 44.16,99.47 41.39,99.47
GND on TOP: 51.18,121.28 77.34,121.28 92.46,106.17 92.46,103.63 91.31,102.49 76.45,102.49 75.92,103.02 73.51,103.02 61.06,115.47 51.69,115.47 51.05,116.1 51.05,121.16
GND on TOP: 15.75,146.43 17.65,146.43 17.78,146.56 17.78,148.62 17.4,149 15.93,149 15.62,148.69 15.62,146.56
GND on TOP: 71.88,29.84 73.81,29.84 73.84,29.87 73.84,30.56 73.43,30.96 72.21,30.96 71.7,30.45 71.7,30.02
GND on TOP: 158.62,120.9 169.04,120.9 170.81,122.68 172.34,122.68 172.72,122.3 172.72,97.79 172.09,97.16 171.07,97.16 161.8,106.43 161.8,111.76 159.64,113.92 159.64,116.46 158.12,117.98 158.12,120.4
GND on TOP: 221.46,33.68 223.22,33.68 223.34,33.81 223.34,34.62 223.22,34.75 221.46,34.75 221.34,34.62 221.34,33.81
GND on TOP: 101.57,8.39 103.04,8.39 103.16,8.52 103.16,10.77 103.04,10.9 101.57,10.9 101.45,10.77 101.45,8.52
GND on TOP: 82.54,70.76 83.99,70.76 84.11,70.64 84.11,67.69 84.35,67.45 85.98,67.45 87.87,69.34 94.74,69.34 96.27,67.82 96.27,57.91 98.3,55.88 100.33,55.88 100.84,55.37 100.84,52.2 100.58,51.94 94.23,51.94 93.73,52.45 93.73,54.23 93.09,54.86 91.57,54.86 87,50.29 85.72,50.29 84.58,49.15 84.58,40.39 83.95,39.75 79.5,39.75 78.87,40.39 78.87,45.47 78.49,45.85 65.53,45.85 65.02,46.35 65.02,48.01 65.66,48.64 77.85,48.64 85.61,56.4 85.61,64.97 85.36,65.23 82.65,65.23 82.46,65.42 82.46,70.69
GND on TOP: 190.88,56.64 190.88,57.4 190.63,57.66 190.63,58.55 190.5,58.67 188.72,58.67 188.59,58.55 188.59,56.52 188.72,56.39 190.63,56.39
GND on TOP: 63.88,161.42 71.63,161.42 72.64,162.43 73.28,162.43 73.53,162.18 73.53,154.18 73.03,153.67 69.34,153.67 69.22,153.8 69.22,154.31 69.34,154.43 70.1,154.43 70.23,154.56 70.23,155.7 70.1,155.83 68.2,155.83 67.44,155.07 67.44,153.03 67.31,152.91 65.79,152.91 65.66,153.03 65.66,154.94 67.31,156.59 67.31,157.23 67.06,157.48 65.53,157.48 65.41,157.61 65.41,158.62 65.15,158.88 64.64,158.88 64.52,158.75 64.52,157.61 64.39,157.48 62.87,157.48 62.74,157.61 62.74,160.27
GND on TOP: 210.82,168.66 215.65,168.66 215.77,168.78 215.77,170.56 215.65,170.69 210.82,170.69 210.69,170.56 210.69,168.78
GND on TOP: 35.56,45.47 38.3,45.47 38.37,45.53 38.37,47 38.25,47.12 35.56,47.12 35.31,46.86 35.31,45.72
GND on TOP: 142.62,149.86 142.49,149.73 140.46,149.73 140.31,149.88 140.31,155.07 140.42,155.18 142.57,155.18 142.62,155.12
GND on TOP: 228.09,37.36 231.34,37.36 231.47,37.49 231.47,39.93 231.34,40.06 223.57,40.06 223.32,39.8 223.32,38.38 223.49,38.2 223.49,36.63 223.7,36.42 225.63,36.42 225.78,36.58 225.78,37.06 225.63,37.21 224.66,37.21 224.59,37.29 224.59,38.1 224.79,38.3 227.58,38.3 227.81,38.07 227.81,37.64
GND on TOP: 52.96,89.47 54.76,89.47 55.16,89.87 56.95,89.87 57.18,90.09 57.18,92.21 56.5,92.89 52.98,92.89 52.58,92.48 52.58,89.85
GND on TOP: 139.22,117.93 140.54,117.93 141.12,117.35 142.52,117.35 143.18,118.01 154.86,118.01 155.09,117.78 155.09,117.35 155.22,117.22 158.32,117.22 158.39,117.14 158.39,116.31 158.34,116.26 139.27,116.26 139.14,116.38 139.14,117.86
GND on TOP: 80.57,60.71 82.11,60.71 82.23,60.83 82.23,63.37 82.11,63.5 80.57,63.5 80.44,63.37 80.44,60.83
GND on TOP: 99.11,117.96 111.89,117.96 111.96,118.03 113.11,118.03 113.44,117.7 115.01,117.7 115.39,118.08 116.46,118.08 116.56,118.19 117.86,118.19 118.31,117.73 118.31,116.13 118.14,115.95 117.09,115.95 116.84,116.2 114.99,116.2 114.1,115.32 111.63,115.32 110.69,116.26 99.14,116.26 99.03,116.36 99.03,117.88
GND on TOP: 76.82,66.45 76.82,70.08 77.1,70.36 77.99,70.36 78.19,70.15 78.19,66.38 78,66.19 77.08,66.19
GND on TOP: 44.7,147.19 44.83,147.07 44.83,144.65 44.7,144.53 43.18,144.53 43.05,144.65 42.42,144.65 42.04,145.03 42.04,147.07 42.16,147.19
GND on TOP: 227.33,158.5 229.11,158.5 229.24,158.37 229.24,155.19 229.11,155.07 228.35,155.07 227.2,156.21 227.2,158.37
GND on TOP: 210.63,150.18 210.47,150.02 208.81,150.02 208.64,150.19 208.64,155.17 208.87,155.4 210.74,155.4 210.91,155.23 210.91,151.53 210.63,151.26
GND on TOP: 79.12,162.94 80.77,162.94 80.9,162.81 80.9,160.66 80.77,160.53 79.12,160.53 78.99,160.66 78.99,162.81
GND on TOP: 84.2,136.91 87.5,136.91 87.88,136.53 87.88,136.02 97.03,126.87 97.03,126.49 96.77,126.24 93.34,126.24 84.07,135.51 84.07,136.78
GND on TOP: 26.42,50.29 33.4,50.29 33.78,50.67 33.78,52.45 33.02,53.21 26.29,53.21 25.91,52.83 25.91,50.8
GND on TOP: 29.63,72.99 30.78,72.99 30.91,73.11 30.91,74 30.78,74.13 29.63,74.13 29.5,74 29.5,73.11
GND on TOP: 55.63,166.24 56.9,166.24 57.02,166.37 57.02,169.54 57.15,169.67 58.42,169.67 58.55,169.54 58.55,165.48 58.67,165.35 67.06,165.35 67.18,165.23 67.18,164.34 66.67,163.83 63.88,163.83 62.61,162.56 57.15,162.56 56.9,162.81 55.63,162.81 55.5,162.94 55.5,166.12
GND on TOP: 179.96,117.7 183.44,117.7 183.72,117.42 183.72,114.6 183.49,114.38 179.91,114.38 179.78,114.5 179.78,117.53
GND on TOP: 76.45,150.11 77.72,150.11 77.85,150.24 77.85,151 77.98,151.13 78.99,151.13 79.12,151.26 79.12,152.27 78.87,152.53 78.87,153.03 78.61,153.29 76.33,153.29 76.2,153.16 76.2,150.37
GND on TOP: 214.6,13.8 214.99,13.8 215.11,13.93 215.11,15.6 214.99,15.72 214.6,15.72 214.48,15.6 214.48,13.93
GND on TOP: 79.41,22.53 80.52,22.53 80.77,22.28 80.77,18.94 80.54,18.71 79.45,18.71 79.28,18.88 79.28,22.4
GND on TOP: 233.93,132.84 235.09,132.84 235.22,132.97 235.22,134.54 235.09,134.67 233.93,134.67 233.81,134.54 233.81,132.97
GND on TOP: 170.05,169.67 172.21,169.67 172.34,169.8 172.34,172.09 172.21,172.21 170.05,172.21 169.93,172.09 169.93,169.8
GND on TOP: 19.18,147.07 22.23,147.07 22.35,146.94 22.35,145.29 22.61,145.03 22.61,144.15 22.48,144.02 19.18,144.02 19.05,144.15 19.05,146.94
GND on TOP: 210.82,17.65 211.84,17.65 211.96,17.53 211.96,14.61 211.84,14.48 210.82,14.48 210.69,14.61 210.69,17.53
GND on TOP: 92.46,139.57 92.96,139.57 93.09,139.45 93.09,134.49 92.96,134.37 92.46,134.37 90.55,136.27 90.55,136.78 90.93,137.16 91.95,137.16 92.33,137.54 92.33,139.45
GND on TOP: 1.65,0.25 0.26,1.65 0.26,72.9 0.46,73.1 0.64,73.1 0.97,72.77 6.22,72.77 6.99,72.01 6.99,68.45 7.49,67.95 10.54,67.95 11.07,68.48 11.07,72.36 11.3,72.59 14.55,72.59 15.1,72.05 21.22,72.05 21.34,71.93 21.34,68.64 21.78,68.2 22.61,68.2 23.11,67.69 23.11,63.5 23.62,62.99 23.62,53.59 21.21,51.18 14.86,51.18 14.22,51.82 14.22,59.06 13.72,59.56 12.07,59.56 11.44,58.94 11.44,55.26 11.13,54.94 10.11,54.94 9.68,55.37 9.68,58.78 8.89,59.56 6.48,59.56 6.07,59.16 6.07,52.53 5.82,52.27 4.78,52.27 4.57,52.07 4.57,42.93 5.84,41.66 15.49,41.66 15.88,42.04 15.88,43.56 16,43.69 23.5,43.69 24.23,42.95 24.23,42.16 25.02,41.38 25.02,31.75 25.65,31.12 31.75,31.12 32.39,31.75 32.39,38.61 32.51,38.74 35.43,38.74 35.81,39.12 35.81,40.01 36.07,40.26 39.5,40.26 41.02,38.74 45.34,38.74 48.51,41.91 48.51,46.86 45.54,49.83 45.54,53.82 46.28,54.56 47.8,54.56 48.26,54.1 56.57,54.1 60.05,57.58 62.28,57.58 62.99,58.29 62.99,62.99 63.37,63.37 67.44,63.37 67.82,63.75 67.82,66.17 68.07,66.42 69.6,66.42 69.72,66.29 69.72,65.15 70.1,64.77 71.88,64.77 72.9,65.79 79.5,65.79 80.01,65.28 80.01,58.8 75.06,53.85 61.09,53.85 60.2,52.96 59.44,52.96 56.77,50.29 56.77,36.32 56.39,35.94 54.1,35.94 53.34,36.7 51.18,36.7 50.42,35.94 47.37,35.94 46.8,36.51 45.02,36.51 44.7,36.2 44.7,25.91 42.8,24 42.8,13.59 44.2,12.19 49.28,12.19 49.91,11.56 49.91,9.91 48.9,8.89 48.9,5.33 48.51,4.95 48.51,3.81 49.02,3.3 50.04,3.3 50.42,3.68 50.42,4.95 49.91,5.46 49.91,7.75 50.17,8 50.67,8 51.82,9.14 51.82,15.37 52.71,16.26 52.71,26.16 54.36,27.81 56.26,27.81 56.64,27.43 56.64,26.04 55.12,24.51 55.12,22.1 55.37,21.84 57.66,21.84 58.04,21.46 58.04,18.29 58.29,18.03 58.93,18.03 59.31,18.42 59.31,23.88 59.69,24.26 61.47,24.26 61.72,24 61.72,16.84 63.83,14.73 63.83,8.92 63.98,8.76 67.77,8.76 69.34,7.19 74.02,7.19 74.27,7.44 74.52,7.44 74.68,7.29 74.68,6.15 66.88,6.15 66.14,5.53 66.63,4.69 66.63,0.25 65.1,0.25 ; 1 cut-out
GND on TOP, BOTTOM: 23.66,98.92 26.56,98.92 26.63,98.84 26.63,97.18 26.54,97.09 23.75,97.09 23.53,97.31 23.53,98.79
GND on TOP, BOTTOM: 222.88,108.71 229.38,108.71 231.03,107.06 245.95,107.06 245.95,107.06 245.95,104.14 224.51,104.14 222.63,106.02 222.63,108.46
GND on TOP, BOTTOM: 45.94,93.59 47.33,93.59 47.46,93.71 47.46,95.25 47.33,95.38 45.94,95.38 45.81,95.25 45.81,93.71
GND on TOP, BOTTOM, L3: 245.57,104.14 245.57,107.06 245.95,107.06 245.95,104.14
GND on TOP, BOTTOM, L3, L4: 175.07,0.54 175.23,0.63 227.38,0.63 227.54,0.54 227.69,0.45 227.74,0.33 227.65,0.26 174.96,0.26 174.87,0.33 174.92,0.45
GND on TOP, BOTTOM, L3, L4: 44.31,0.25 44.31,0.26 5.14,0.26 5.05,0.32 5.08,0.44 5.2,0.53 5.3,0.63 50.54,0.63 50.55,0.64 57.33,0.64 57.33,0.63 61.47,0.63 61.47,0.64 63.42,0.64 63.42,0.63 64.81,0.63 64.82,0.6 64.85,0.5 64.9,0.41 64.9,0.31 64.81,0.26 63.42,0.26 63.42,0.25 61.6,0.25 61.59,0.26 46,0.26 46,0.25
GND on TOP, BOTTOM, L3, L4: 0.63,5.3 0.53,5.2 0.44,5.08 0.32,5.05 0.26,5.14 0.26,138.16 0.32,138.26 0.44,138.23 0.53,138.11 0.63,138
GND on TOP, BOTTOM, L3, L4: 245.67,61.79 245.57,61.92 245.57,72.7 245.67,72.83 245.76,72.98 245.87,73.03 245.95,72.93 245.95,61.69 245.87,61.59 245.76,61.64
GND on TOP, BOTTOM, L3, L4: 230.95,0.54 231.11,0.63 240.9,0.63 241.01,0.53 241.12,0.44 241.15,0.32 241.06,0.26 230.84,0.26 230.75,0.33 230.8,0.45
GND on BOTTOM: 190.63,53.59 192.41,53.59 192.53,53.47 192.53,52.07 192.28,51.82 190.63,51.82 190.5,51.94 190.5,53.47
GND on BOTTOM: 197.46,22.45 201.55,18.36 201.55,10.41 201.04,9.91 192.91,9.91 184.3,18.52 184.3,22.17 184.58,22.45
GND on BOTTOM: 127.38,142.88 137.41,152.91 139.57,152.91 140.72,154.05 142.49,154.05 142.75,153.8 142.75,149.99 142.24,149.48 140.46,149.48 139.7,148.72 139.7,144.91 138.56,143.76 137.41,143.76 136.91,143.26 136.91,139.32 136.27,138.68 130.43,138.68 129.92,138.18 129.92,134.87 128.4,133.35 128.4,130.05 128.78,129.67 130.56,129.67 132.46,131.57 136.78,131.57 137.29,131.06 137.29,128.14 136.53,127.38 132.33,127.38 131.44,126.49 131.44,123.95 131.19,123.7 130.81,123.7 130.05,122.94 128.02,122.94 125.98,120.9 125.98,119.76 126.49,119.25 126.49,115.95 125.86,115.32 125.09,115.32 124.84,115.57 124.84,122.68 127.38,125.22